# Altium PCB Flow_Pump.PcbDoc (part 2 of 3) (continued)
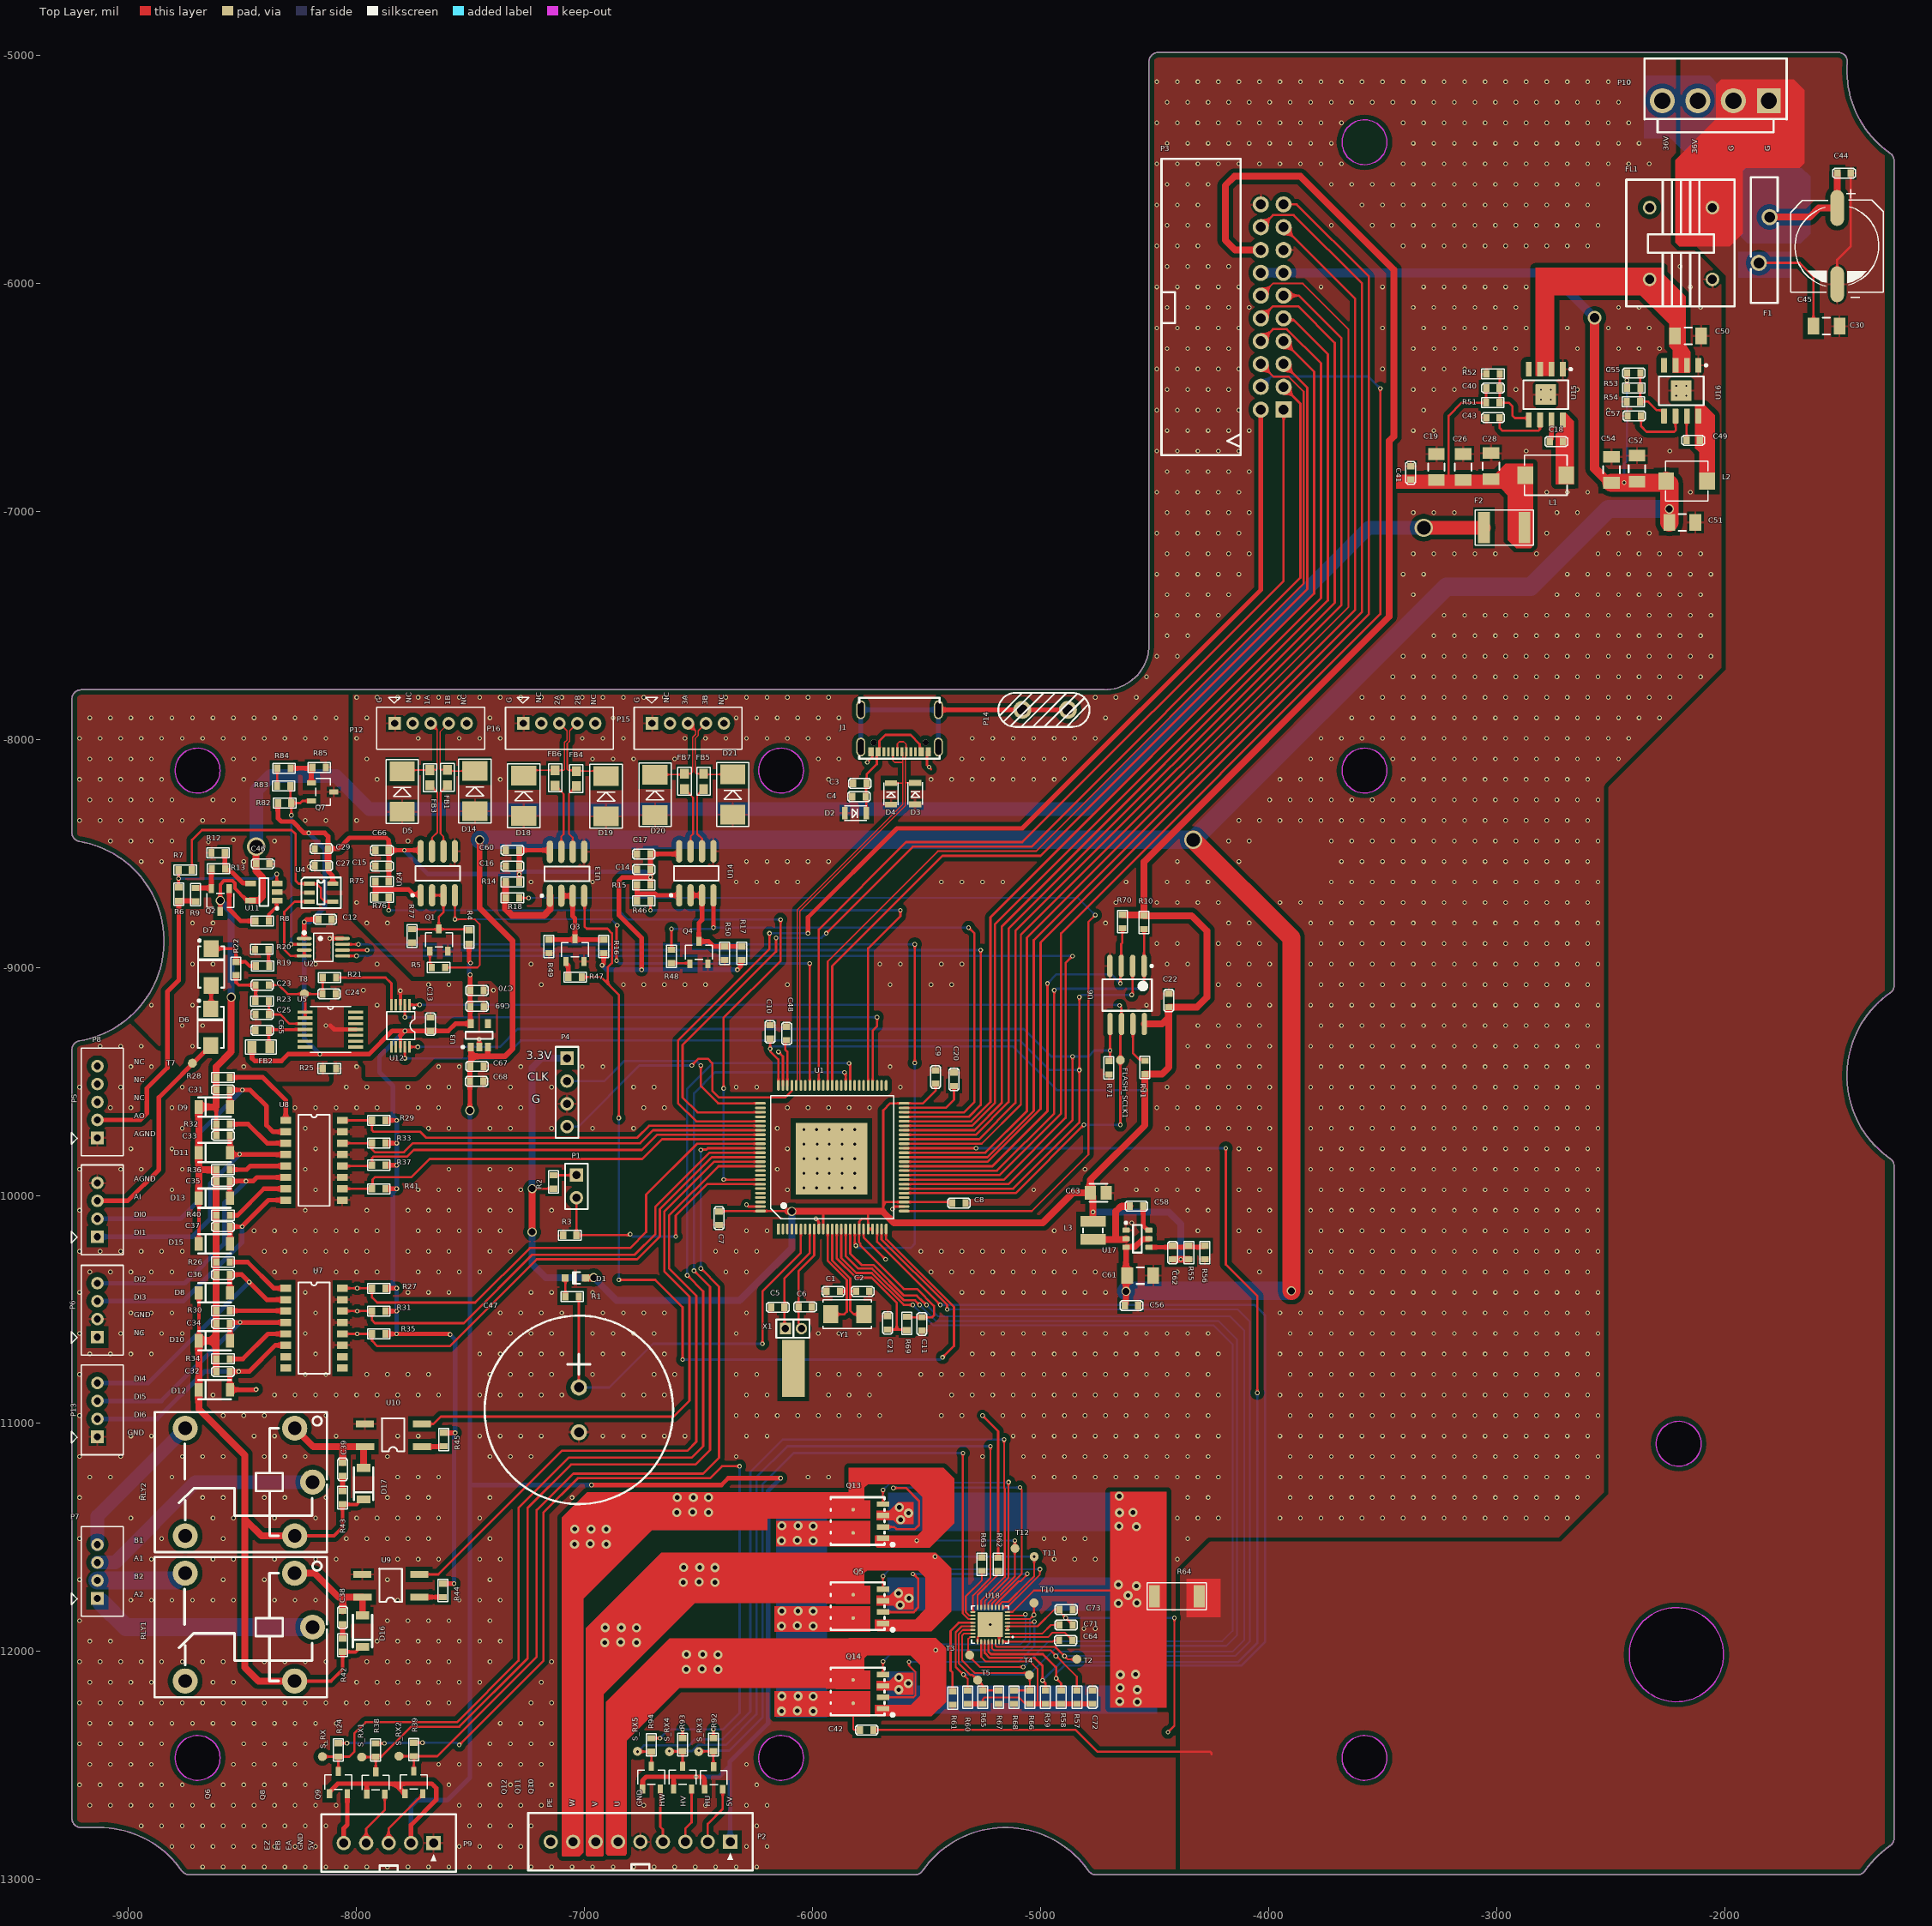
[diagram p0: Top Layer view]
## Nets (pads, with @x,y where several pads share a name; then routed paths per layer and width w, separated by ;. In a path a pad name is that pad's centre, name@x,y a point inside that pad or via, vN(x,y) a via of type N, cw(c..) or ccw(c..) an arc to the next point about the centre after c; other vN are vias at no path point) (continued)
  other v1: -8675,-12945 -8585,-12945 -8495,-12945 -8405,-12945 -8315,-12945 -8225,-12945 -8135,-12945 -8045,-12945 -7955,-12945 -7865,-12945 -7775,-12945 -7685,-12945 -7595,-12945 -7505,-12945 -7415,-12945 -7325,-12945 -7235,-12945 -7145,-12945 -7055,-12945 -6965,-12945 -6875,-12945 -6785,-12945 -6695,-12945 -6605,-12945 -6515,-12945 -6425,-12945 -6335,-12945 -6245,-12945 -8810,-12855 -8720,-12855 -8630,-12855 -8540,-12855 -8450,-12855 -8360,-12855 -8270,-12855 -8180,-12855 -7550,-12855 -7460,-12855 -7370,-12855 -7280,-12855 -6290,-12855 -6200,-12855 -8945,-12765 -8855,-12765 -8765,-12765 -8675,-12765 -8585,-12765 -8495,-12765 -8405,-12765 -8315,-12765 -8225,-12765 -8135,-12765 -7505,-12765 -7415,-12765 -7325,-12765 -7235,-12765 -6245,-12765 -9170,-12675 -9080,-12675 -8990,-12675 -8900,-12675 -8810,-12675 -8720,-12675 -8630,-12675 -8540,-12675 -8450,-12675 -8360,-12675 -8270,-12675 -8180,-12675 -8090,-12675 -7550,-12675 -7460,-12675 -7370,-12675 -7280,-12675 -7190,-12675 -6740,-12675 -6470,-12675 -6290,-12675 -6200,-12675 -9215,-12585 -9125,-12585 -9035,-12585 -8945,-12585 -8855,-12585 -8765,-12585 -8585,-12585 -8495,-12585 -8405,-12585 -8315,-12585 -8225,-12585 -7595,-12585 -7415,-12585 -7325,-12585 -7235,-12585 -7145,-12585 -6245,-12585 -9170,-12495 -9080,-12495 -8990,-12495 -8900,-12495 -8540,-12495 -8450,-12495 -8360,-12495 -8270,-12495 -7640,-12495 -7550,-12495 -7460,-12495 -7370,-12495 -7280,-12495 -7190,-12495 -6290,-12495 -9215,-12405 -9125,-12405 -9035,-12405 -8945,-12405 -8855,-12405 -8495,-12405 -8405,-12405 -8315,-12405 -8225,-12405 -8135,-12405 -7415,-12405 -7325,-12405 -7235,-12405 -7145,-12405 -9170,-12315 -9080,-12315 -8990,-12315 -8900,-12315 -8810,-12315 -8720,-12315 -8630,-12315 -8540,-12315 -8450,-12315 -8360,-12315 -8270,-12315 -8180,-12315 -8090,-12315 -7370,-12315 -7280,-12315 -7190,-12315 -9215,-12225 -9125,-12225 -9035,-12225 -8945,-12225 -8855,-12225 -8765,-12225 -8675,-12225 -8585,-12225 -8495,-12225 -8405,-12225 -8315,-12225 -8225,-12225 -8135,-12225 -8045,-12225 -7955,-12225 -7865,-12225 -7775,-12225 -7685,-12225 -7595,-12225 -7235,-12225 -7145,-12225 -9170,-12135 -9080,-12135 -8990,-12135 -8900,-12135 -8630,-12135 -8540,-12135 -8000,-12135 -7910,-12135 -7820,-12135 -7730,-12135 -7640,-12135 -7550,-12135 -7460,-12135 -7190,-12135 -9215,-12045 -9125,-12045 -9035,-12045 -8945,-12045 -8855,-12045 -8765,-12045 -8675,-12045 -8585,-12045 -8405,-12045 -8315,-12045 -8225,-12045 -8135,-12045 -7955,-12045 -7865,-12045 -7775,-12045 -7685,-12045 -7595,-12045 -7415,-12045 -7145,-12045 -9170,-11955 -9080,-11955 -7910,-11955 -7820,-11955 -7730,-11955 -7640,-11955 -7550,-11955 -7460,-11955 -7370,-11955 -4810,-11900 -4760,-11900 -9215,-11865 -7865,-11865 -7775,-11865 -7685,-11865 -7595,-11865 -7415,-11865 -8990,-11775 -8900,-11775 -8810,-11775 -8720,-11775 -8630,-11775 -8540,-11775 -8360,-11775 -8270,-11775 -8180,-11775 -7820,-11775 -7550,-11775 -7460,-11775 -7370,-11775 -9215,-11685 -8585,-11685 -8405,-11685 -7865,-11685 -7415,-11685 -8900,-11595 -8630,-11595 -8540,-11595 -8360,-11595 -8180,-11595 -8090,-11595 -7820,-11595 -7730,-11595 -7640,-11595 -7460,-11595 -7370,-11595 -4940,-11595 -4850,-11595 -4760,-11595 -4400,-11595 -9215,-11505 -8855,-11505 -8585,-11505 -8045,-11505 -7955,-11505 -7865,-11505 -7775,-11505 -7685,-11505 -7415,-11505 -4985,-11505 -4895,-11505 -4805,-11505 -4355,-11505 -8990,-11415 -8630,-11415 -8540,-11415 -8360,-11415 -8180,-11415 -8000,-11415 -7910,-11415 -7820,-11415 -7730,-11415 -7640,-11415 -7460,-11415 -4400,-11415 -4310,-11415 -4220,-11415 -3950,-11415 -3860,-11415 -3770,-11415 -3680,-11415 -3590,-11415 -3500,-11415 -3410,-11415 -3320,-11415 -3230,-11415 -3140,-11415 -3050,-11415 -2960,-11415 -2870,-11415 -2780,-11415 -2690,-11415 -9215,-11325 -8945,-11325 -8675,-11325 -8585,-11325 -8405,-11325 -8315,-11325 -8135,-11325 -7865,-11325 -7775,-11325 -7685,-11325 -7415,-11325 -7055,-11325 -4355,-11325 -4265,-11325 -3905,-11325 -3815,-11325 -3725,-11325 -3635,-11325 -3545,-11325 -3455,-11325 -3365,-11325 -3275,-11325 -3185,-11325 -3095,-11325 -3005,-11325 -2915,-11325 -2825,-11325 -2735,-11325 -2645,-11325 -9170,-11235 -9080,-11235 -8810,-11235 -7820,-11235 -7730,-11235 -7640,-11235 -6020,-11235 -5930,-11235 -5030,-11235 -4940,-11235 -4850,-11235 -4760,-11235 -4670,-11235 -4580,-11235 -4490,-11235 -4400,-11235 -4310,-11235 -4220,-11235 -3950,-11235 -3860,-11235 -3770,-11235 -3680,-11235 -3590,-11235 -3500,-11235 -3410,-11235 -3320,-11235 -3230,-11235 -3140,-11235 -3050,-11235 -2960,-11235 -2870,-11235 -2780,-11235 -2690,-11235 -2600,-11235 -9215,-11145 -9035,-11145 -8765,-11145 -8675,-11145 -8585,-11145 -8405,-11145 -8315,-11145 -8225,-11145 -7865,-11145 -7415,-11145 -7325,-11145 -7235,-11145 -6335,-11145 -5255,-11145 -5075,-11145 -4985,-11145 -4895,-11145 -4805,-11145 -4715,-11145 -4625,-11145 -4535,-11145 -4445,-11145 -4355,-11145 -4265,-11145 -3905,-11145 -3815,-11145 -3725,-11145 -3635,-11145 -3545,-11145 -3455,-11145 -3365,-11145 -3275,-11145 -3185,-11145 -3095,-11145 -3005,-11145 -2915,-11145 -2825,-11145 -2735,-11145 -2645,-11145 -2555,-11145 -8990,-11055 -8900,-11055 -8450,-11055 -8360,-11055 -8090,-11055 -7820,-11055 -7730,-11055 -7460,-11055 -7370,-11055 -7280,-11055 -7190,-11055 -6920,-11055 -6830,-11055 -6740,-11055 -6650,-11055 -6560,-11055 -6290,-11055 -6200,-11055 -5120,-11055 -5030,-11055 -4940,-11055 -4850,-11055 -4760,-11055 -4670,-11055 -4580,-11055 -4490,-11055 -4400,-11055 -4310,-11055 -4220,-11055 -3950,-11055 -3860,-11055 -3770,-11055 -3680,-11055 -3590,-11055 -3500,-11055 -3410,-11055 -3320,-11055 -3230,-11055 -3140,-11055 -3050,-11055 -2960,-11055 -2870,-11055 -2780,-11055 -2690,-11055 -2600,-11055 -9215,-10965 -8585,-10965 -8495,-10965 -8405,-10965 -8135,-10965 -6335,-10965 -6245,-10965 -6155,-10965 -6065,-10965 -5975,-10965 -5885,-10965 -5795,-10965 -5705,-10965 -5435,-10965 -5345,-10965 -5165,-10965 -5075,-10965 -4985,-10965 -4895,-10965 -4805,-10965 -4715,-10965 -4625,-10965 -4535,-10965 -4445,-10965 -4355,-10965 -4265,-10965 -3905,-10965 -3815,-10965 -3725,-10965 -3635,-10965 -3545,-10965 -3455,-10965 -3365,-10965 -3275,-10965 -3185,-10965 -3095,-10965 -3005,-10965 -2915,-10965 -2825,-10965 -2735,-10965 -2645,-10965 -2555,-10965 -8630,-10875 -8360,-10875 -8270,-10875 -8180,-10875 -8090,-10875 -8000,-10875 -7910,-10875 -7820,-10875 -7730,-10875 -7640,-10875 -7460,-10875 -7370,-10875 -7280,-10875 -7190,-10875 -7100,-10875 -6830,-10875 -6740,-10875 -6650,-10875 -6290,-10875 -6200,-10875 -5930,-10875 -5840,-10875 -5750,-10875 -5390,-10875 -5300,-10875 -5210,-10875 -5120,-10875 -5030,-10875 -4940,-10875 -4850,-10875 -4760,-10875 -4670,-10875 -4580,-10875 -4490,-10875 -4400,-10875 -4310,-10875 -4220,-10875 -3950,-10875 -3860,-10875 -3770,-10875 -3680,-10875 -3590,-10875 -3500,-10875 -3410,-10875 -3320,-10875 -3230,-10875 -3140,-10875 -3050,-10875 -2960,-10875 -2870,-10875 -2780,-10875 -2690,-10875 -2600,-10875 -9215,-10785 -8225,-10785 -8135,-10785 -7955,-10785 -7865,-10785 -7775,-10785 -7685,-10785 -7415,-10785 -7325,-10785 -7235,-10785 -7145,-10785 -6965,-10785 -6695,-10785 -6605,-10785 -6335,-10785 -6245,-10785 -5975,-10785 -5885,-10785 -5795,-10785 -5705,-10785 -5525,-10785 -5435,-10785 -5345,-10785 -5255,-10785 -5165,-10785 -5075,-10785 -4985,-10785 -4895,-10785 -4805,-10785 -4715,-10785 -4625,-10785 -4535,-10785 -4445,-10785 -4355,-10785 -4265,-10785 -3905,-10785 -3815,-10785 -3725,-10785 -3635,-10785 -3545,-10785 -3455,-10785 -3365,-10785 -3275,-10785 -3185,-10785 -3095,-10785 -3005,-10785 -2915,-10785 -2825,-10785 -2735,-10785 -2645,-10785 -2555,-10785 -9170,-10695 -9080,-10695 -8990,-10695 -8900,-10695 -8180,-10695 -7460,-10695 -7370,-10695 -7280,-10695 -7190,-10695 -7100,-10695 -6920,-10695 -6830,-10695 -6650,-10695 -5300,-10695 -5210,-10695 -5120,-10695 -5030,-10695 -4940,-10695 -4850,-10695 -4760,-10695 -4670,-10695 -4580,-10695 -4490,-10695 -4400,-10695 -4310,-10695 -4220,-10695 -3950,-10695 -3860,-10695 -3770,-10695 -3680,-10695 -3590,-10695 -3500,-10695 -3410,-10695 -3320,-10695 -3230,-10695 -3140,-10695 -3050,-10695 -2960,-10695 -2870,-10695 -2780,-10695 -2690,-10695 -2600,-10695 -9215,-10605 -9035,-10605 -8945,-10605 -8855,-10605 -8765,-10605 -8225,-10605 -7415,-10605 -7325,-10605 -7235,-10605 -7145,-10605 -6965,-10605 -6875,-10605 -6785,-10605 -6695,-10605 -6335,-10605 -5975,-10605 -5885,-10605 -5795,-10605 -5255,-10605 -5165,-10605 -5075,-10605 -4985,-10605 -4895,-10605 -4805,-10605 -4715,-10605 -4625,-10605 -4535,-10605 -4445,-10605 -4355,-10605 -4265,-10605 -3905,-10605 -3815,-10605 -3725,-10605 -3635,-10605 -3545,-10605 -3455,-10605 -3365,-10605 -3275,-10605 -3185,-10605 -3095,-10605 -3005,-10605 -2915,-10605 -2825,-10605 -2735,-10605 -2645,-10605 -2555,-10605 -8990,-10515 -8900,-10515 -8810,-10515 -8180,-10515 -7370,-10515 -7280,-10515 -7190,-10515 -7100,-10515 -6920,-10515 -6830,-10515 -6740,-10515 -6650,-10515 -6290,-10515 -3950,-10515 -3860,-10515 -3770,-10515 -3680,-10515 -3590,-10515 -3500,-10515 -3410,-10515 -3320,-10515 -3230,-10515 -3140,-10515 -3050,-10515 -2960,-10515 -2870,-10515 -2780,-10515 -2690,-10515 -2600,-10515 -9215,-10425 -8225,-10425 -7775,-10425 -7685,-10425 -7595,-10425 -7235,-10425 -7145,-10425 -6965,-10425 -5345,-10425 -5255,-10425 -5165,-10425 -5075,-10425 -4985,-10425 -4895,-10425 -4805,-10425 -4715,-10425 -3815,-10425 -3725,-10425 -3635,-10425 -3545,-10425 -3455,-10425 -3365,-10425 -3275,-10425 -3185,-10425 -3095,-10425 -3005,-10425 -2915,-10425 -2825,-10425 -2735,-10425 -2645,-10425 -2555,-10425 -9170,-10335 -9080,-10335 -8990,-10335 -8900,-10335 -8810,-10335 -8360,-10335 -8270,-10335 -8180,-10335 -8090,-10335 -8000,-10335 -7910,-10335 -7730,-10335 -7640,-10335 -7550,-10335 -7460,-10335 -6380,-10335 -6290,-10335 -5480,-10335 -5390,-10335 -5300,-10335 -5210,-10335 -5120,-10335 -5030,-10335 -4940,-10335 -4850,-10335 -4760,-10335 -4400,-10335 -4040,-10335 -3770,-10335 -3680,-10335 -3590,-10335 -3500,-10335 -3410,-10335 -3320,-10335 -3230,-10335 -3140,-10335 -3050,-10335 -2960,-10335 -2870,-10335 -2780,-10335 -2690,-10335 -2600,-10335 -9215,-10245 -9125,-10245 -9035,-10245 -8945,-10245 -8855,-10245 -8765,-10245 -8405,-10245 -8315,-10245 -8225,-10245 -8135,-10245 -8045,-10245 -7955,-10245 -7775,-10245 -7685,-10245 -7595,-10245 -7415,-10245 -7325,-10245 -6425,-10245 -6335,-10245 -6245,-10245 -5525,-10245 -5435,-10245 -5345,-10245 -5255,-10245 -5165,-10245 -5075,-10245 -4985,-10245 -4895,-10245 -4085,-10245 -3995,-10245 -3815,-10245 -3725,-10245 -3635,-10245 -3545,-10245 -3455,-10245 -3365,-10245 -3275,-10245 -3185,-10245 -3095,-10245 -3005,-10245 -2915,-10245 -2825,-10245 -2735,-10245 -2645,-10245 -2555,-10245 -8450,-10155 -8360,-10155 -8270,-10155 -8180,-10155 -8090,-10155 -8000,-10155 -7910,-10155 -7730,-10155 -7640,-10155 -7550,-10155 -7460,-10155 -7370,-10155 -6290,-10155 -6200,-10155 -4940,-10155 -4310,-10155 -4130,-10155 -4040,-10155 -3770,-10155 -3680,-10155 -3590,-10155 -3500,-10155 -3410,-10155 -3320,-10155 -3230,-10155 -3140,-10155 -3050,-10155 -2960,-10155 -2870,-10155 -2780,-10155 -2690,-10155 -2600,-10155 -4600,-10120 -9215,-10065 -8225,-10065 -7955,-10065 -7775,-10065 -7685,-10065 -7595,-10065 -7415,-10065 -7325,-10065 -7145,-10065 -4355,-10065 -4265,-10065 -4085,-10065 -3995,-10065 -3815,-10065 -3725,-10065 -3635,-10065 -3545,-10065 -3455,-10065 -3365,-10065 -3275,-10065 -3185,-10065 -3095,-10065 -3005,-10065 -2915,-10065 -2825,-10065 -2735,-10065 -2645,-10065 -2555,-10065 -8810,-9975 -8180,-9975 -7730,-9975 -7640,-9975 -7550,-9975 -7460,-9975 -7370,-9975 -7280,-9975 -6110,-9975 -5030,-9975 -4580,-9975 -4490,-9975 -4400,-9975 -4310,-9975 -4130,-9975 -4040,-9975 -3770,-9975 -3680,-9975 -3590,-9975 -3500,-9975 -3410,-9975 -3320,-9975 -3230,-9975 -3140,-9975 -3050,-9975 -2960,-9975 -2870,-9975 -2780,-9975 -2690,-9975 -2600,-9975 -9215,-9885 -9035,-9885 -8945,-9885 -8765,-9885 -8225,-9885 -7595,-9885 -7415,-9885 -7325,-9885 -6155,-9885 -4805,-9885 -4625,-9885 -4535,-9885 -4445,-9885 -4355,-9885 -4265,-9885 -4085,-9885 -3995,-9885 -3815,-9885 -3725,-9885 -3635,-9885 -3545,-9885 -3455,-9885 -3365,-9885 -3275,-9885 -3185,-9885 -3095,-9885 -3005,-9885 -2915,-9885 -2825,-9885 -2735,-9885 -2645,-9885 -2555,-9885 -8990,-9795 -8810,-9795 -8180,-9795 -6110,-9795 -4130,-9795 -4040,-9795 -3770,-9795 -3680,-9795 -3590,-9795 -3500,-9795 -3410,-9795 -3320,-9795 -3230,-9795 -3140,-9795 -3050,-9795 -2960,-9795 -2870,-9795 -2780,-9795 -2690,-9795 -2600,-9795 -8765,-9705 -8225,-9705 -7685,-9705 -7595,-9705 -7415,-9705 -7325,-9705 -7145,-9705 -6965,-9705 -6785,-9705 -6155,-9705 -4445,-9705 -4355,-9705 -4265,-9705 -4175,-9705 -4085,-9705 -3995,-9705 -3815,-9705 -3725,-9705 -3635,-9705 -3545,-9705 -3455,-9705 -3365,-9705 -3275,-9705 -3185,-9705 -3095,-9705 -3005,-9705 -2915,-9705 -2825,-9705 -2735,-9705 -2645,-9705 -2555,-9705 -9080,-9615 -8990,-9615 -8810,-9615 -8270,-9615 -8180,-9615 -8090,-9615 -8000,-9615 -7910,-9615 -7730,-9615 -7640,-9615 -7370,-9615 -7280,-9615 -6740,-9615 -6650,-9615 -6110,-9615 -6020,-9615 -5930,-9615 -5840,-9615 -5750,-9615 -4490,-9615 -4400,-9615 -4310,-9615 -4220,-9615 -4130,-9615 -4040,-9615 -3770,-9615 -3680,-9615 -3590,-9615 -3500,-9615 -3410,-9615 -3320,-9615 -3230,-9615 -3140,-9615 -3050,-9615 -2960,-9615 -2870,-9615 -2780,-9615 -2690,-9615 -2600,-9615 -9215,-9525 -9035,-9525 -8765,-9525 -8045,-9525 -7955,-9525 -7775,-9525 -7685,-9525 -7595,-9525 -7325,-9525 -7145,-9525 -6785,-9525 -6695,-9525 -6335,-9525 -6245,-9525 -5615,-9525 -4445,-9525 -4355,-9525 -4265,-9525 -4175,-9525 -4085,-9525 -3995,-9525 -3815,-9525 -3725,-9525 -3635,-9525 -3545,-9525 -3455,-9525 -3365,-9525 -3275,-9525 -3185,-9525 -3095,-9525 -3005,-9525 -2915,-9525 -2825,-9525 -2735,-9525 -2645,-9525 -2555,-9525 -8990,-9435 -8900,-9435 -8000,-9435 -7640,-9435 -7550,-9435 -7280,-9435 -7010,-9435 -6920,-9435 -5660,-9435 -4310,-9435 -4220,-9435 -4130,-9435 -4040,-9435 -3770,-9435 -3680,-9435 -3590,-9435 -3500,-9435 -3410,-9435 -3320,-9435 -3230,-9435 -3140,-9435 -3050,-9435 -2960,-9435 -2870,-9435 -2780,-9435 -2690,-9435 -2600,-9435 -9125,-9345 -9035,-9345 -8945,-9345 -4355,-9345 -4265,-9345 -4175,-9345 -4085,-9345 -3995,-9345 -3815,-9345 -3725,-9345 -3635,-9345 -3545,-9345 -3455,-9345 -3365,-9345 -3275,-9345 -3185,-9345 -3095,-9345 -3005,-9345 -2915,-9345 -2825,-9345 -2735,-9345 -2645,-9345 -2555,-9345 -4310,-9255 -4220,-9255 -4130,-9255 -4040,-9255 -3770,-9255 -3680,-9255 -3590,-9255 -3500,-9255 -3410,-9255 -3320,-9255 -3230,-9255 -3140,-9255 -3050,-9255 -2960,-9255 -2870,-9255 -2780,-9255 -2690,-9255 -2600,-9255 -4535,-9165 -4175,-9165 -4085,-9165 -3995,-9165 -3815,-9165 -3725,-9165 -3635,-9165 -3545,-9165 -3455,-9165 -3365,-9165 -3275,-9165 -3185,-9165 -3095,-9165 -3005,-9165 -2915,-9165 -2825,-9165 -2735,-9165 -2645,-9165 -2555,-9165 -7190,-9075 -6830,-9075 -6740,-9075 -6650,-9075 -6560,-9075 -6470,-9075 -6110,-9075 -5660,-9075 -5480,-9075 -5390,-9075 -4220,-9075 -4130,-9075 -4040,-9075 -3770,-9075 -3680,-9075 -3590,-9075 -3500,-9075 -3410,-9075 -3320,-9075 -3230,-9075 -3140,-9075 -3050,-9075 -2960,-9075 -2870,-9075 -2780,-9075 -2690,-9075 -2600,-9075 -7235,-8985 -5705,-8985 -5615,-8985 -5435,-8985 -5345,-8985 -4445,-8985 -4355,-8985 -4175,-8985 -4085,-8985 -3995,-8985 -3815,-8985 -3725,-8985 -3635,-8985 -3545,-8985 -3455,-8985 -3365,-8985 -3275,-8985 -3185,-8985 -3095,-8985 -3005,-8985 -2915,-8985 -2825,-8985 -2735,-8985 -2645,-8985 -2555,-8985 -4490,-8895 -4400,-8895 -4220,-8895 -4130,-8895 -4040,-8895 -3770,-8895 -3680,-8895 -3590,-8895 -3500,-8895 -3410,-8895 -3320,-8895 -3230,-8895 -3140,-8895 -3050,-8895 -2960,-8895 -2870,-8895 -2780,-8895 -2690,-8895 -2600,-8895 -7955,-8805 -7865,-8805 -4715,-8805 -4175,-8805 -4085,-8805 -3815,-8805 -3725,-8805 -3635,-8805 -3545,-8805 -3455,-8805 -3365,-8805 -3275,-8805 -3185,-8805 -3095,-8805 -3005,-8805 -2915,-8805 -2825,-8805 -2735,-8805 -2645,-8805 -2555,-8805 -8000,-8715 -4670,-8715 -4490,-8715 -4400,-8715 -4310,-8715 -4220,-8715 -3950,-8715 -3860,-8715 -3770,-8715 -3680,-8715 -3590,-8715 -3500,-8715 -3410,-8715 -3320,-8715 -3230,-8715 -3140,-8715 -3050,-8715 -2960,-8715 -2870,-8715 -2780,-8715 -2690,-8715 -2600,-8715 -7235,-8625 -6965,-8625 -6335,-8625 -6245,-8625 -6155,-8625 -6065,-8625 -5435,-8625 -5345,-8625 -5255,-8625 -5165,-8625 -4625,-8625 -4445,-8625 -4355,-8625 -4265,-8625 -3725,-8625 -3635,-8625 -3545,-8625 -3455,-8625 -3365,-8625 -3275,-8625 -3185,-8625 -3095,-8625 -3005,-8625 -2915,-8625 -2825,-8625 -2735,-8625 -2645,-8625 -2555,-8625 -6290,-8535 -6200,-8535 -6110,-8535 -6020,-8535 -5930,-8535 -4400,-8535 -4130,-8535 -3680,-8535 -3590,-8535 -3500,-8535 -3410,-8535 -3320,-8535 -3230,-8535 -3140,-8535 -3050,-8535 -2960,-8535 -2870,-8535 -2780,-8535 -2690,-8535 -2600,-8535 -7775,-8445 -4175,-8445 -4085,-8445 -3725,-8445 -3635,-8445 -3545,-8445 -3455,-8445 -3365,-8445 -3275,-8445 -3185,-8445 -3095,-8445 -3005,-8445 -2915,-8445 -2825,-8445 -2735,-8445 -2645,-8445 -2555,-8445 -8000,-8355 -4130,-8355 -4040,-8355 -3950,-8355 -3860,-8355 -3770,-8355 -3680,-8355 -3590,-8355 -3500,-8355 -3410,-8355 -3320,-8355 -3230,-8355 -3140,-8355 -3050,-8355 -2960,-8355 -2870,-8355 -2780,-8355 -2690,-8355 -2600,-8355 -3995,-8265 -3905,-8265 -3815,-8265 -3725,-8265 -3635,-8265 -3545,-8265 -3455,-8265 -3365,-8265 -3275,-8265 -3185,-8265 -3095,-8265 -3005,-8265 -2915,-8265 -2825,-8265 -2735,-8265 -2645,-8265 -2555,-8265 -7910,-8175 -7370,-8175 -5930,-8175 -5480,-8175 -5390,-8175 -5300,-8175 -5210,-8175 -5120,-8175 -5030,-8175 -4940,-8175 -3950,-8175 -3860,-8175 -3770,-8175 -3410,-8175 -3320,-8175 -3230,-8175 -3140,-8175 -3050,-8175 -2960,-8175 -2870,-8175 -2780,-8175 -2690,-8175 -2600,-8175 -5489.02,-8120.98 -7955,-8085 -6965,-8085 -6875,-8085 -6785,-8085 -6605,-8085 -5975,-8085 -5885,-8085 -5345,-8085 -5255,-8085 -5165,-8085 -5075,-8085 -4985,-8085 -4895,-8085 -3815,-8085 -3725,-8085 -3455,-8085 -3365,-8085 -3275,-8085 -3185,-8085 -3095,-8085 -3005,-8085 -2915,-8085 -2825,-8085 -2735,-8085 -2645,-8085 -2555,-8085 -2465,-8085 -8000,-7995 -7730,-7995 -7550,-7995 -7460,-7995 -7370,-7995 -7010,-7995 -6920,-7995 -6830,-7995 -6560,-7995 -6470,-7995 -6380,-7995 -6290,-7995 -6200,-7995 -6110,-7995 -6020,-7995 -5930,-7995 -5300,-7995 -5210,-7995 -5120,-7995 -5030,-7995 -4940,-7995 -4850,-7995 -4760,-7995 -3770,-7995 -3680,-7995 -3590,-7995 -3500,-7995 -3410,-7995 -3320,-7995 -3230,-7995 -3140,-7995 -3050,-7995 -2960,-7995 -2870,-7995 -2780,-7995 -2690,-7995 -2600,-7995 -2510,-7995 -2420,-7995 -7955,-7905 -7415,-7905 -6875,-7905 -6335,-7905 -6245,-7905 -6155,-7905 -6065,-7905 -5975,-7905 -5885,-7905 -4715,-7905 -3635,-7905 -3545,-7905 -3455,-7905 -3365,-7905 -3275,-7905 -3185,-7905 -3095,-7905 -3005,-7905 -2915,-7905 -2825,-7905 -2735,-7905 -2645,-7905 -2555,-7905 -2465,-7905 -2375,-7905 -2285,-7905 -8000,-7815 -7910,-7815 -7820,-7815 -7730,-7815 -7640,-7815 -7550,-7815 -7460,-7815 -7370,-7815 -7280,-7815 -7190,-7815 -7100,-7815 -7010,-7815 -6920,-7815 -6830,-7815 -6740,-7815 -6650,-7815 -6560,-7815 -6470,-7815 -6380,-7815 -6290,-7815 -6200,-7815 -6110,-7815 -6020,-7815 -5930,-7815 -4760,-7815 -4670,-7815 -4580,-7815 -3590,-7815 -3500,-7815 -3410,-7815 -3320,-7815 -3230,-7815 -3140,-7815 -3050,-7815 -2960,-7815 -2870,-7815 -2780,-7815 -2690,-7815 -2600,-7815 -2510,-7815 -2420,-7815 -2330,-7815 -2240,-7815 -4535,-7725 -3455,-7725 -3365,-7725 -3275,-7725 -3185,-7725 -3095,-7725 -3005,-7725 -2915,-7725 -2825,-7725 -2735,-7725 -2645,-7725 -2555,-7725 -2465,-7725 -2375,-7725 -2285,-7725 -2195,-7725 -2105,-7725 -4490,-7635 -4400,-7635 -3410,-7635 -3320,-7635 -3230,-7635 -3140,-7635 -3050,-7635 -2960,-7635 -2870,-7635 -2780,-7635 -2690,-7635 -2600,-7635 -2510,-7635 -2420,-7635 -2330,-7635 -2240,-7635 -2150,-7635 -2060,-7635 -4445,-7545 -4355,-7545 -3275,-7545 -3185,-7545 -3095,-7545 -3005,-7545 -2915,-7545 -2825,-7545 -2735,-7545 -2645,-7545 -2555,-7545 -2465,-7545 -2375,-7545 -2285,-7545 -2195,-7545 -2105,-7545 -4490,-7455 -4400,-7455 -4310,-7455 -4220,-7455 -3230,-7455 -3140,-7455 -3050,-7455 -2960,-7455 -2870,-7455 -2780,-7455 -2690,-7455 -2600,-7455 -2510,-7455 -2420,-7455 -2330,-7455 -2240,-7455 -2150,-7455 -2060,-7455 -4445,-7365 -4355,-7365 -4265,-7365 -4175,-7365 -3365,-7365 -2735,-7365 -2645,-7365 -2555,-7365 -2465,-7365 -2375,-7365 -2285,-7365 -2195,-7365 -2105,-7365 -4490,-7275 -4400,-7275 -4310,-7275 -4220,-7275 -4130,-7275 -3410,-7275 -3320,-7275 -2690,-7275 -2600,-7275 -2510,-7275 -2420,-7275 -2330,-7275 -2240,-7275 -2150,-7275 -2060,-7275 -4445,-7185 -4355,-7185 -4265,-7185 -4175,-7185 -4085,-7185 -3365,-7185 -3275,-7185 -3185,-7185 -3095,-7185 -3005,-7185 -2825,-7185 -2555,-7185 -2465,-7185 -2375,-7185 -2285,-7185 -2195,-7185 -2105,-7185 -4490,-7095 -4400,-7095 -4310,-7095 -4220,-7095 -4130,-7095 -2780,-7095 -2510,-7095 -2420,-7095 -2330,-7095 -4445,-7005 -4355,-7005 -4265,-7005 -4175,-7005 -4085,-7005 -3365,-7005 -3275,-7005 -3185,-7005 -2735,-7005 -2645,-7005 -4490,-6915 -4400,-6915 -4310,-6915 -4220,-6915 -4130,-6915 -2780,-6915 -2690,-6915 -2600,-6915 -2150,-6915 -4445,-6825 -4355,-6825 -4265,-6825 -4175,-6825 -4085,-6825 -4490,-6735 -4400,-6735 -4310,-6735 -4220,-6735 -4130,-6735 -2870,-6735 -2240,-6735 -4445,-6645 -4355,-6645 -4265,-6645 -4175,-6645 -4085,-6645 -3365,-6645 -3275,-6645 -4490,-6555 -4400,-6555 -4310,-6555 -4220,-6555 -4130,-6555 -3320,-6555 -2510,-6555 -4445,-6465 -4355,-6465 -4265,-6465 -4175,-6465 -3365,-6465 -3275,-6465 -3185,-6465 -2915,-6465 -2645,-6465 -4490,-6375 -4400,-6375 -4310,-6375 -4220,-6375 -4130,-6375 -3500,-6375 -3320,-6375 -3230,-6375 -3140,-6375 -2510,-6375 -4445,-6285 -4355,-6285 -4265,-6285 -4175,-6285 -3365,-6285 -3275,-6285 -3185,-6285 -3095,-6285 -3005,-6285 -2915,-6285 -2645,-6285 -2465,-6285 -2375,-6285 -2285,-6285 -4490,-6195 -4400,-6195 -4310,-6195 -4220,-6195 -4130,-6195 -3500,-6195 -3320,-6195 -3230,-6195 -3140,-6195 -3050,-6195 -2960,-6195 -2870,-6195 -2690,-6195 -2510,-6195 -2420,-6195 -2330,-6195 -4445,-6105 -4355,-6105 -4265,-6105 -4175,-6105 -4085,-6105 -3365,-6105 -3275,-6105 -3185,-6105 -3095,-6105 -3005,-6105 -2915,-6105 -2465,-6105 -2375,-6105 -2105,-6105 -4490,-6015 -4400,-6015 -4310,-6015 -4220,-6015 -4130,-6015 -3770,-6015 -3500,-6015 -3320,-6015 -3230,-6015 -3140,-6015 -3050,-6015 -2960,-6015 -2870,-6015 -2150,-6015 -4445,-5925 -4355,-5925 -4265,-5925 -4175,-5925 -2195,-5925 -4490,-5835 -4400,-5835 -4310,-5835 -3410,-5835 -3320,-5835 -3230,-5835 -3140,-5835 -3050,-5835 -2960,-5835 -2870,-5835 -2780,-5835 -2690,-5835 -2600,-5835 -4445,-5745 -4355,-5745 -4265,-5745 -3725,-5745 -3545,-5745 -3455,-5745 -3365,-5745 -3275,-5745 -3185,-5745 -3095,-5745 -3005,-5745 -2915,-5745 -2825,-5745 -2735,-5745 -2645,-5745 -2555,-5745 -4490,-5655 -4400,-5655 -4310,-5655 -3590,-5655 -3500,-5655 -3410,-5655 -3320,-5655 -3230,-5655 -3140,-5655 -3050,-5655 -2960,-5655 -2870,-5655 -2780,-5655 -2690,-5655 -2600,-5655 -4445,-5565 -4355,-5565 -4265,-5565 -3725,-5565 -3635,-5565 -3545,-5565 -3455,-5565 -3365,-5565 -3275,-5565 -3185,-5565 -3095,-5565 -3005,-5565 -2915,-5565 -2825,-5565 -2735,-5565 -2645,-5565 -2555,-5565 -4490,-5475 -4400,-5475 -4310,-5475 -4220,-5475 -4130,-5475 -4040,-5475 -3950,-5475 -3860,-5475 -3770,-5475 -3680,-5475 -3410,-5475 -3320,-5475 -3230,-5475 -3140,-5475 -3050,-5475 -2960,-5475 -2870,-5475 -2780,-5475 -2690,-5475 -2600,-5475 -2510,-5475 -2420,-5475 -2330,-5475 -4445,-5385 -4355,-5385 -4265,-5385 -4175,-5385 -4085,-5385 -3995,-5385 -3905,-5385 -3815,-5385 -3725,-5385 -3365,-5385 -3275,-5385 -3185,-5385 -3095,-5385 -3005,-5385 -2915,-5385 -2825,-5385 -2735,-5385 -2645,-5385 -2555,-5385 -2465,-5385 -2375,-5385 -4490,-5295 -4400,-5295 -4310,-5295 -4220,-5295 -4130,-5295 -4040,-5295 -3950,-5295 -3860,-5295 -3770,-5295 -3680,-5295 -3410,-5295 -3320,-5295 -3230,-5295 -3140,-5295 -3050,-5295 -2960,-5295 -2870,-5295 -2780,-5295 -2690,-5295 -2600,-5295 -2510,-5295 -2420,-5295 -4445,-5205 -4355,-5205 -4265,-5205 -4175,-5205 -4085,-5205 -3995,-5205 -3905,-5205 -3815,-5205 -3725,-5205 -3635,-5205 -3545,-5205 -3455,-5205 -3365,-5205 -3275,-5205 -3185,-5205 -3095,-5205 -3005,-5205 -2915,-5205 -2825,-5205 -2735,-5205 -2645,-5205 -2555,-5205 -2465,-5205 -4490,-5115 -4400,-5115 -4310,-5115 -4220,-5115 -4130,-5115 -4040,-5115 -3950,-5115 -3860,-5115 -3770,-5115 -3680,-5115 -3590,-5115 -3500,-5115 -3410,-5115 -3320,-5115 -3230,-5115 -3140,-5115 -3050,-5115 -2960,-5115 -2870,-5115 -2780,-5115 -2690,-5115 -2600,-5115 -2510,-5115 -2420,-5115
  other v5: -2805.65,-6508.65 -2762.35,-6508.65 -2211.65,-6491.65 -2168.35,-6491.65 -2805.65,-6465.35 -2762.35,-6465.35 -2211.65,-6448.35 -2168.35,-6448.35
GSA: P2.6 Q14.1 Q14.5 T10.1 U18.6 | length 733.1
  Top Layer w8: U18.6@-5145.5,-11858.3 -5047.3,-11858.3 v1(-5029,-11840) T10.1@-5029,-11787
  Bottom Layer w8: v1(-5460,-11994) -5079,-11994 -5047,-11962 -5047,-11858 v1@-5029.5,-11840.5 ; v1@-5029,-11841 v1(-5029,-11840)
  other v3: -6554,-12079 -6415,-12079 -6485,-12077 -6415,-12014 -6553,-12013 -6482,-12013
GSB: P2.7 Q5.1 Q5.5 T11.1 U18.10 | length 737
  Top Layer w8: U18.10@-5181.62,-11806.43 -5181.62,-11796.4 -5167.61,-11782.39 -5140.69,-11782.39 -5063.19,-11704.89 -5062.89,-11704.89 -5028,-11670 v1(-5028,-11584)
  Bottom Layer w8: v1(-5463,-11584) v1(-5028,-11584)
  other v3: -6911,-11961 -6772,-11961 -6842,-11959 -6772,-11896 -6910,-11895 -6839,-11895 -6567,-11697 -6428,-11697 -6498,-11695 -6428,-11632 -6566,-11631 -6495,-11631
GSC: P2.8 Q13.1 Q13.5 T12.1 U18.13 | length 770.4
  Top Layer w8: U18.13@-5228.86,-11806.43 -5228.86,-11787.48 -5113,-11671.62 v1(-5113,-11514)
  Bottom Layer w8: v1(-5543,-11514) v1(-5113,-11514)
  other v3: -7044,-11529 -6905,-11529 -6975,-11527 -6905,-11464 -7043,-11463 -6972,-11463 -6595,-11390 -6456,-11390 -6526,-11388 -6456,-11325 -6594,-11324 -6523,-11324
HU: P2.2 Q10.2 | length 257.9
  Top Layer w10: P2.2@-6459.7,-12835 -6459.7,-12755.7 -6394.26,-12690.26 Q10.2@-6394.26,-12604.23
HV: P2.3 Q11.2 | length 243.7
  Top Layer w10: P2.3@-6558.13,-12835 -6558.13,-12777.13 -6530.63,-12749.63 Q11.2@-6530.63,-12602.66
HW: P2.4 Q12.2 | length 237
  Top Layer w10: Q12.2@-6667.73,-12602.66 -6667.73,-12769.27 -6656.57,-12780.43 P2.4@-6656.57,-12835
IDRIVE: R65.2 R67.1 T5.1 U18.22 | length 435.2
  Top Layer w8: U18.22@-5296.49,-11905.54 -5340.54,-11905.54 -5359,-11924 -5359,-12052 -5308,-12103 -5298.44,-12103 -5253.44,-12148 R65.2@-5253.44,-12170.94 R67.1@-5184.67,-12170.94
ISEN: Q5.3 Q13.3 Q14.3 R64.2 U18.8 | length 537.1
  Top Layer w8: U18.8@-5145.5,-11826.8 -5123.22,-11826.8 -5029,-11732.58 -4683.58,-11732.58 v3(-4658,-11707)
  other v3: -4576,-12221 -4653,-12219 -5622,-12168 -4576,-12168 -4651,-12159 -5580,-12140 -5621,-12114 -4650,-12102 -4583.69,-12100.16 -5616,-11796 -4658,-11789 -4578,-11787 -5577,-11766 -4616,-11754 -5623,-11745 -4580,-11713 -4579,-11453 -4656,-11451 -5614,-11422 -5579,-11393 -4654,-11391 -4595,-11390 -5619,-11368 -4655,-11319
ISO_GND: C12.2 C13.2 C24.2 C25.1 C27.2 C29.2 C46.2 C65.2 C69.2 C70.2 Q7.3 R12.1 R20.1 R25.2 R85.2 U2.8 U3.2 U4.2 U5.11 U11.2 U12.3 | length 270.8
  Top Layer w15: U12.3@-7807.99,-9163.48 v1(-7807.99,-9102) ; U3.2@-7462,-9348.93 v1@-7462,-9313.65
  Top Layer w20: v1(-8117.39,-8872.61) U2.8@-8062.1,-8872.61 ; -8115,-9255 -8097.98,-9272.02 U5.11@-8003.34,-9272.02
  other v1: -8495,-9435 -8720,-9345 -7462,-9313.5 -8765,-9255 -8675,-9255 -8135,-9255 -8900,-9165 -8720,-9165 -7910,-9165 -7400,-9100 -7685,-9075 -7595,-9075 -8720,-8985 -8630,-8985 -8180,-8985 -7910,-8985 -8720,-8805 -8630,-8805 -8207.83,-8558 -8945,-8535 -8855,-8535 -8495,-8535 -8650,-8450 -9080,-8445 -8990,-8445 -8900,-8445 -8810,-8445 -8360,-8445 -8540,-8440 -9215,-8355 -9125,-8355 -9035,-8355 -8945,-8355 -8855,-8355 -8765,-8355 -8675,-8355 -8585,-8355 -8225,-8355 -8135,-8355 -9170,-8265 -9080,-8265 -8990,-8265 -8900,-8265 -8810,-8265 -8630,-8265 -8540,-8265 -9215,-8175 -9125,-8175 -9035,-8175 -8945,-8175 -8855,-8175 -8495,-8175 -9170,-8085 -9080,-8085 -8990,-8085 -8900,-8085 -8540,-8085 -8450,-8085 -9215,-7995 -9125,-7995 -9035,-7995 -8945,-7995 -8855,-7995 -8765,-7995 -8675,-7995 -8585,-7995 -8495,-7995 -8405,-7995 -8315,-7995 -8225,-7995 -8135,-7995 -9170,-7905 -9080,-7905 -8990,-7905 -8900,-7905 -8810,-7905 -8720,-7905 -8630,-7905 -8540,-7905 -8450,-7905 -8360,-7905 -8270,-7905 -8180,-7905 -8090,-7905
  other v2: -7970,-9100
KEYA: P3.5 U1.63 | length 4322.2
  Top Layer w10: U1.63@-5913.78,-9517.08 -5913.78,-8993.78 -5430,-8510 -5000,-8510 -3830,-7340 -3830,-6457 P3.5@-3934,-6353
KEYB: P3.6 U1.64 | length 4397.7
  Top Layer w8: U1.64@-5933.46,-9517.08 -5933.46,-8973.46 -5450,-8490 -5020,-8490 -3846,-7316 -3846,-6474 -3911.43,-6408.57 -3978.43,-6408.57 P3.6@-4034,-6353
KEYSW: P3.7 U1.46 | length 4394.5
  Top Layer w10: U1.46@-5598.82,-9674.56 -5304.56,-9674.56 -5220,-9590 -5220,-8780 -3800,-7360 -3800,-6387 P3.7@-3934,-6253
LATCH_AO: U1.33 U2.5 | length 4745.6
  Top Layer w10: U2.5@-8062.1,-8949.39 v1(-8000.61,-8949.39) ; U1.33@-5598.82,-9930.46 -5160.46,-9930.46 -4890,-9660 -4890,-8980 v1(-4860,-8950)
  Bottom Layer w10: v1(-8000.61,-8949.39) -4860.61,-8949.39 v1(-4860,-8950)
MCU_REF: Q7.2 R82.2 R83.1 U2.2 | length 845
  Top Layer w10: R83.1@-8289.94,-8204 -8289.94,-8275 R82.2@-8285.94,-8279 ; v1(-8287.79,-8898.21) U2.2@-8229.9,-8898.21 ; v1(-8285.94,-8332.06) R82.2@-8285.94,-8279 ; Q7.2@-8198.43,-8269.37 -8237.37,-8269.37 -8247,-8279 R82.2@-8285.94,-8279
  Bottom Layer w10: v1@-8285.94,-8897.94 v1(-8285.94,-8332.06)
MEA: Q6.3 R24.2 S_RX.1 U1.59 | length 5190.8
  Top Layer w10: S_RX.1@-8150,-12461.23 R24.2@-8080,-12461.23 ; Q6.3@-8080,-12526.23 R24.2@-8080,-12461.23 ; v2(-6550,-10350) -6480,-10420 -6480,-11100 -6530,-11150 -7070,-11150 -7290,-11370 -7290,-12040 -7560,-12310 -7960,-12310 -8010,-12360 -8010,-12440 -8031.23,-12461.23 R24.2@-8080,-12461.23 ; v2(-5840,-9420) -5840,-9422.71 -5835.04,-9427.67 U1.59@-5835.04,-9517.08
  Bottom Layer w10: v2(-6550,-10350) -6550,-9531.92 -6438.08,-9420 v2(-5840,-9420)
MEB: Q8.3 R38.2 S_RX1.1 U1.60 | length 4889.5
  Top Layer w10: S_RX1.1@-7978,-12463.23 -7916.95,-12463.23 R38.2@-7916,-12462.29 ; Q8.3@-7916,-12528.23 R38.2@-7916,-12462.29 ; v2(-6520,-10330) -6450,-10400 -6450,-11116.62 -6513.38,-11180 -7060,-11180 -7250,-11370 -7250,-12030 -7550,-12330 -7760,-12330 -7890.13,-12460.13 -7913.85,-12460.13 R38.2@-7916,-12462.29 ; v2(-5860,-9460) -5854.72,-9465.28 U1.60@-5854.72,-9517.08
  Bottom Layer w10: v2(-6520,-10330) -6520,-9551.74 -6428.26,-9460 v2(-5860,-9460)
MEZ: Q9.3 R39.2 S_RX2.1 U1.86 | length 4036.4
  Top Layer w10: S_RX2.1@-7814,-12459.29 R39.2@-7749,-12459.29 ; Q9.3@-7749,-12525.23 R39.2@-7749,-12459.29 ; v2(-6490,-10320) -6410,-10400 -6410,-11150 -6480,-11220 -7050,-11220 -7210,-11380 -7210,-12023 -7646.29,-12459.29 R39.2@-7749,-12459.29 ; v2(-6490,-9800) -6488.09,-9798.09 -6465.38,-9798.09 -6459.96,-9792.67 U1.86@-6228.74,-9792.67
  Bottom Layer w10: v2(-6490,-10320) v2(-6490,-9800)
MFAULT: R60.1 U1.16 U18.21 | length 4917.5
  Top Layer w8: R60.1@-5320,-12171 -5320,-12120 -5372,-12068 -5372,-11916 -5345.79,-11889.79 U18.21@-5296.49,-11889.79
  Top Layer w10: U1.16@-5854.72,-10147 -5854.72,-10265.28 -5799.55,-10320.45 -5738.33,-10320.45 -5598.79,-10460 -5550,-10460 v2(-5530,-10480)
  Bottom Layer w8: v2(-5530,-10480) -5460,-10550 -4220,-10550 -4138,-10632 -4138,-11928 -4185,-11975 -4924,-11975 -5050,-12101 v1(-5338,-12101)
MSR0: D7.2 R19.2 R22.2 | length 255.3
  Top Layer w15: D7.2@-8638,-8917.29 -8539.71,-8917.29 -8529,-8928 R22.2@-8529,-8975 -8488,-8975 -8469.49,-8993.51 -8442.49,-8993.51 R19.2@-8442,-8994
MU: Q10.3 R92.2 S_RX3.1 U18.19 | length 3190.6
  Top Layer w8: v2(-5340,-11130) -5341,-11131 -5341,-11833.16 -5315.86,-11858.3 U18.19@-5296.49,-11858.3
  Top Layer w10: S_RX3.1@-6500,-12439 -6499.29,-12438.29 R92.2@-6435.15,-12438.29 -6435.15,-12504.29 Q10.3@-6433.63,-12505.8
  Bottom Layer w10: v1(-6499,-12435) -6365,-12435 -6219,-12289 -6219,-11266 -6083,-11130 v2(-5340,-11130)